# KiCad board board_deltaRenumBack.kicad_pcb
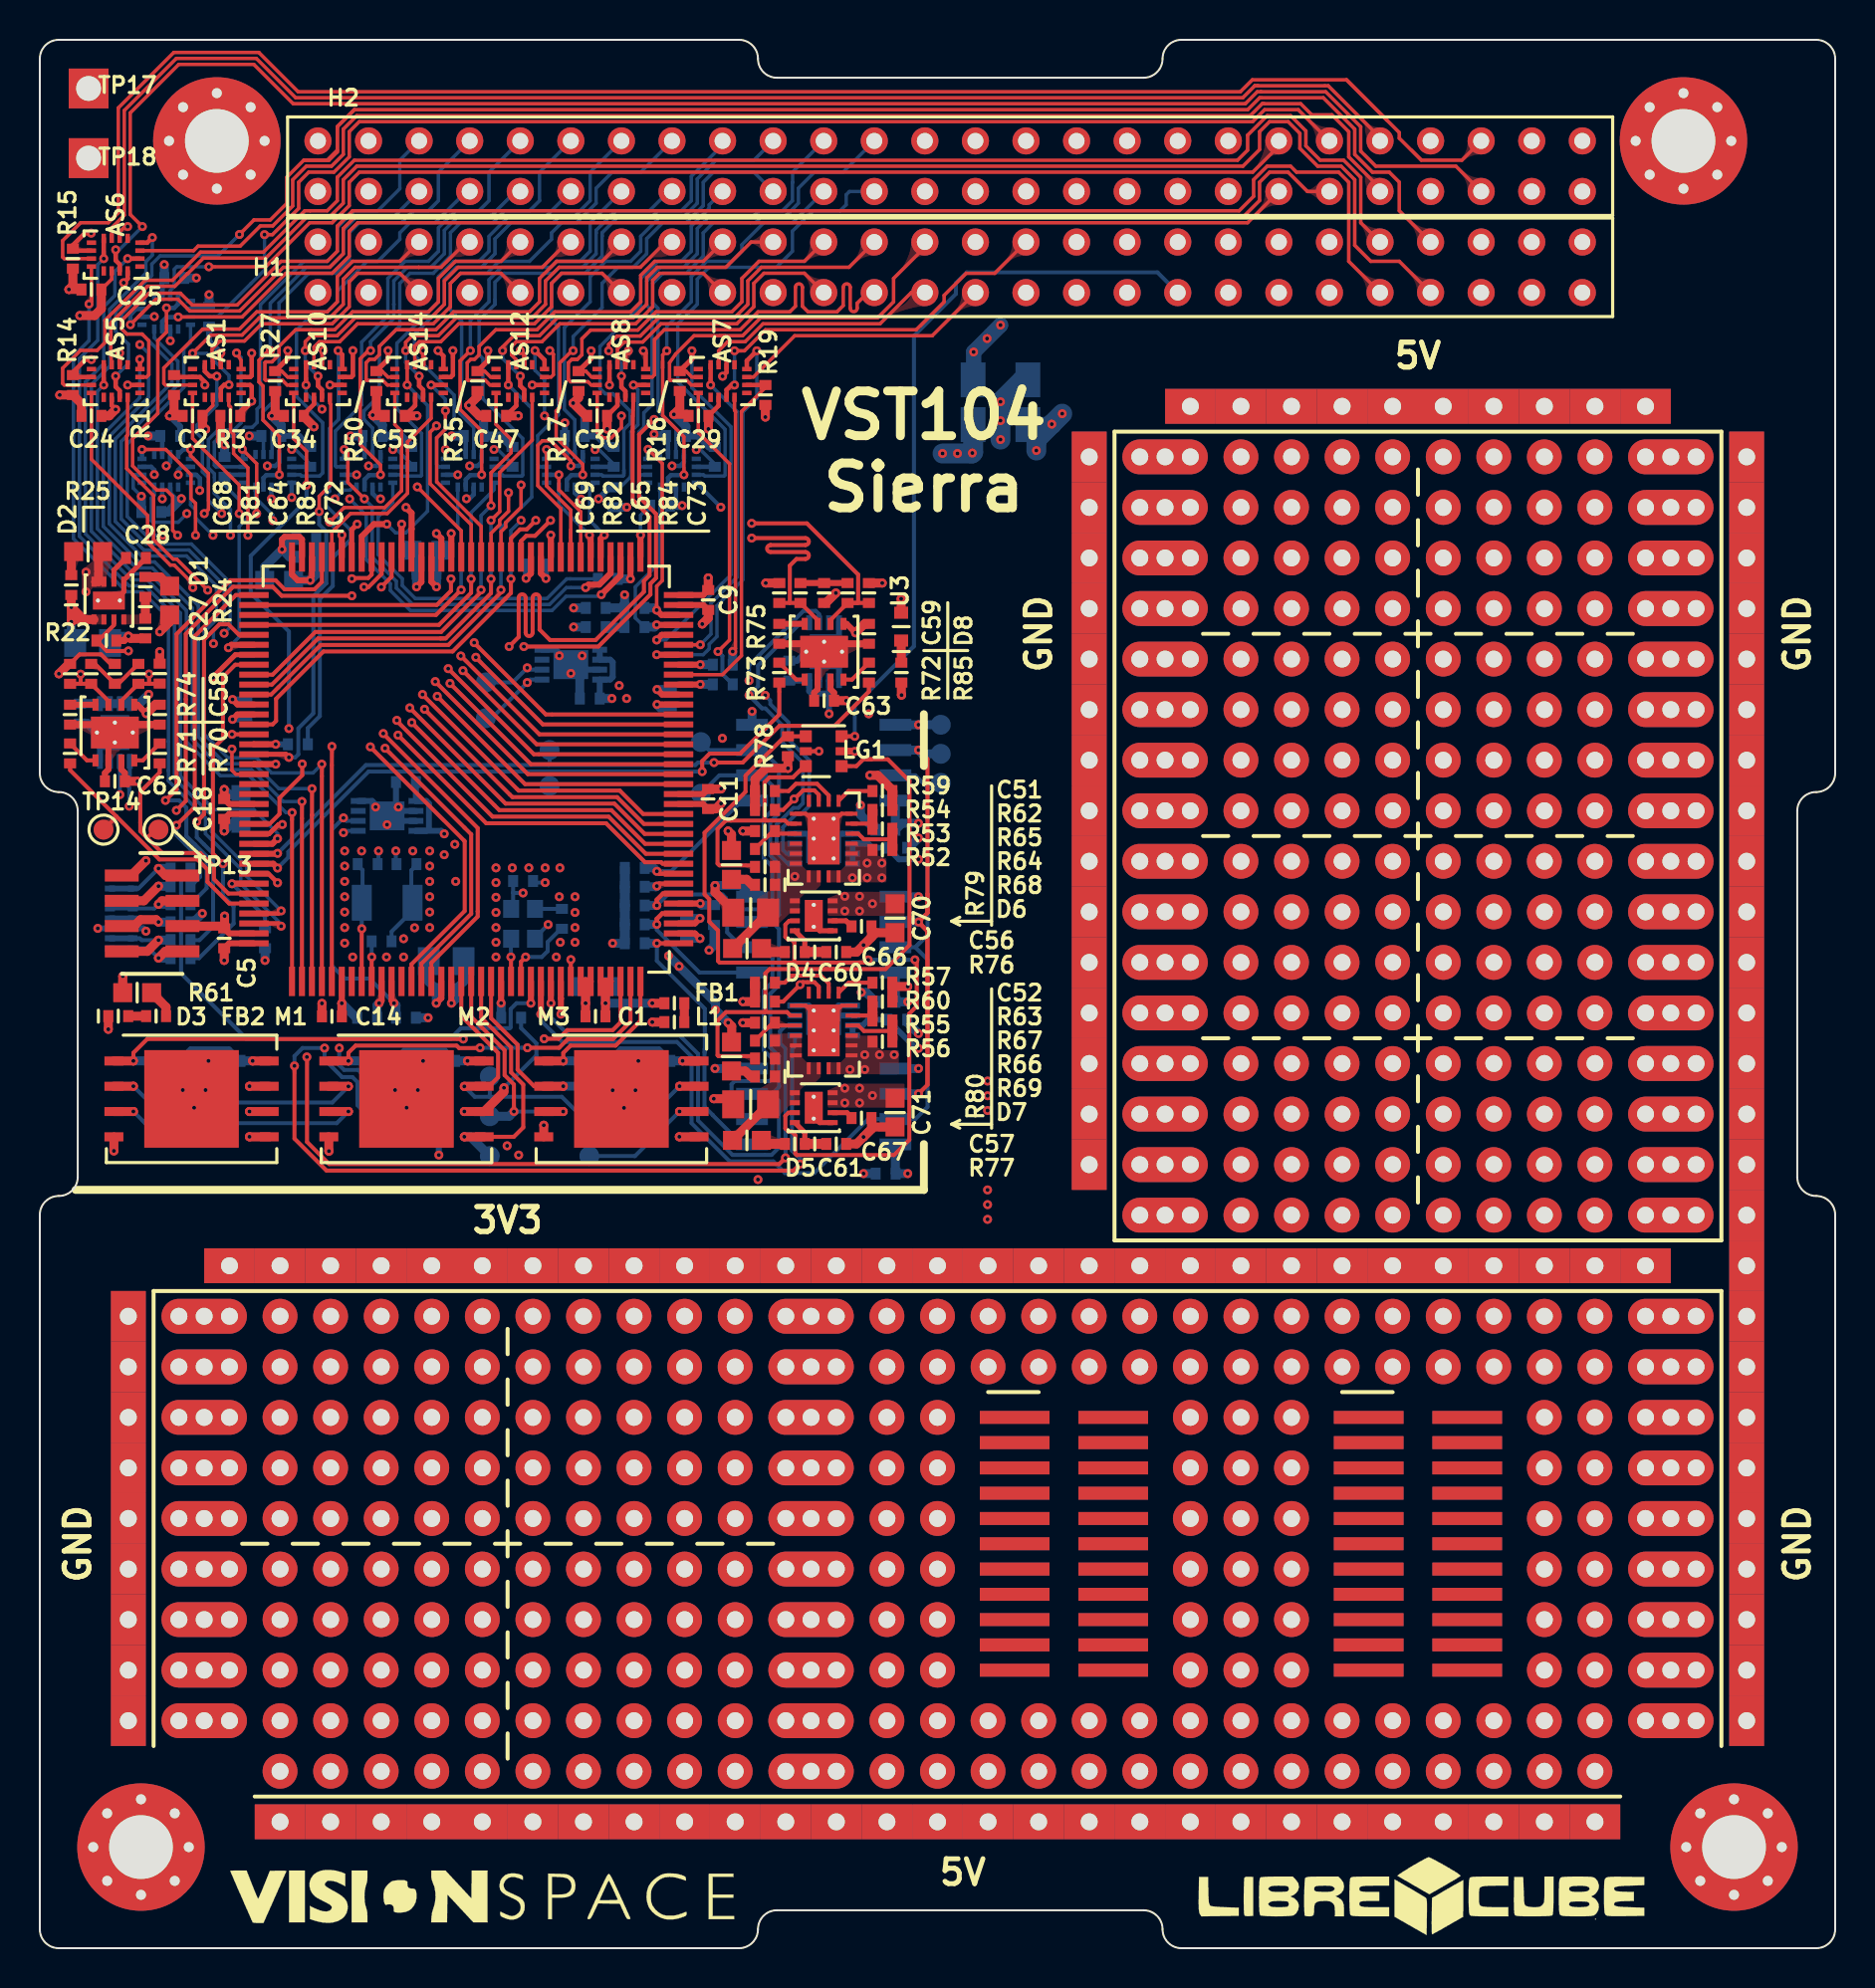
[diagram p0: board, top side]
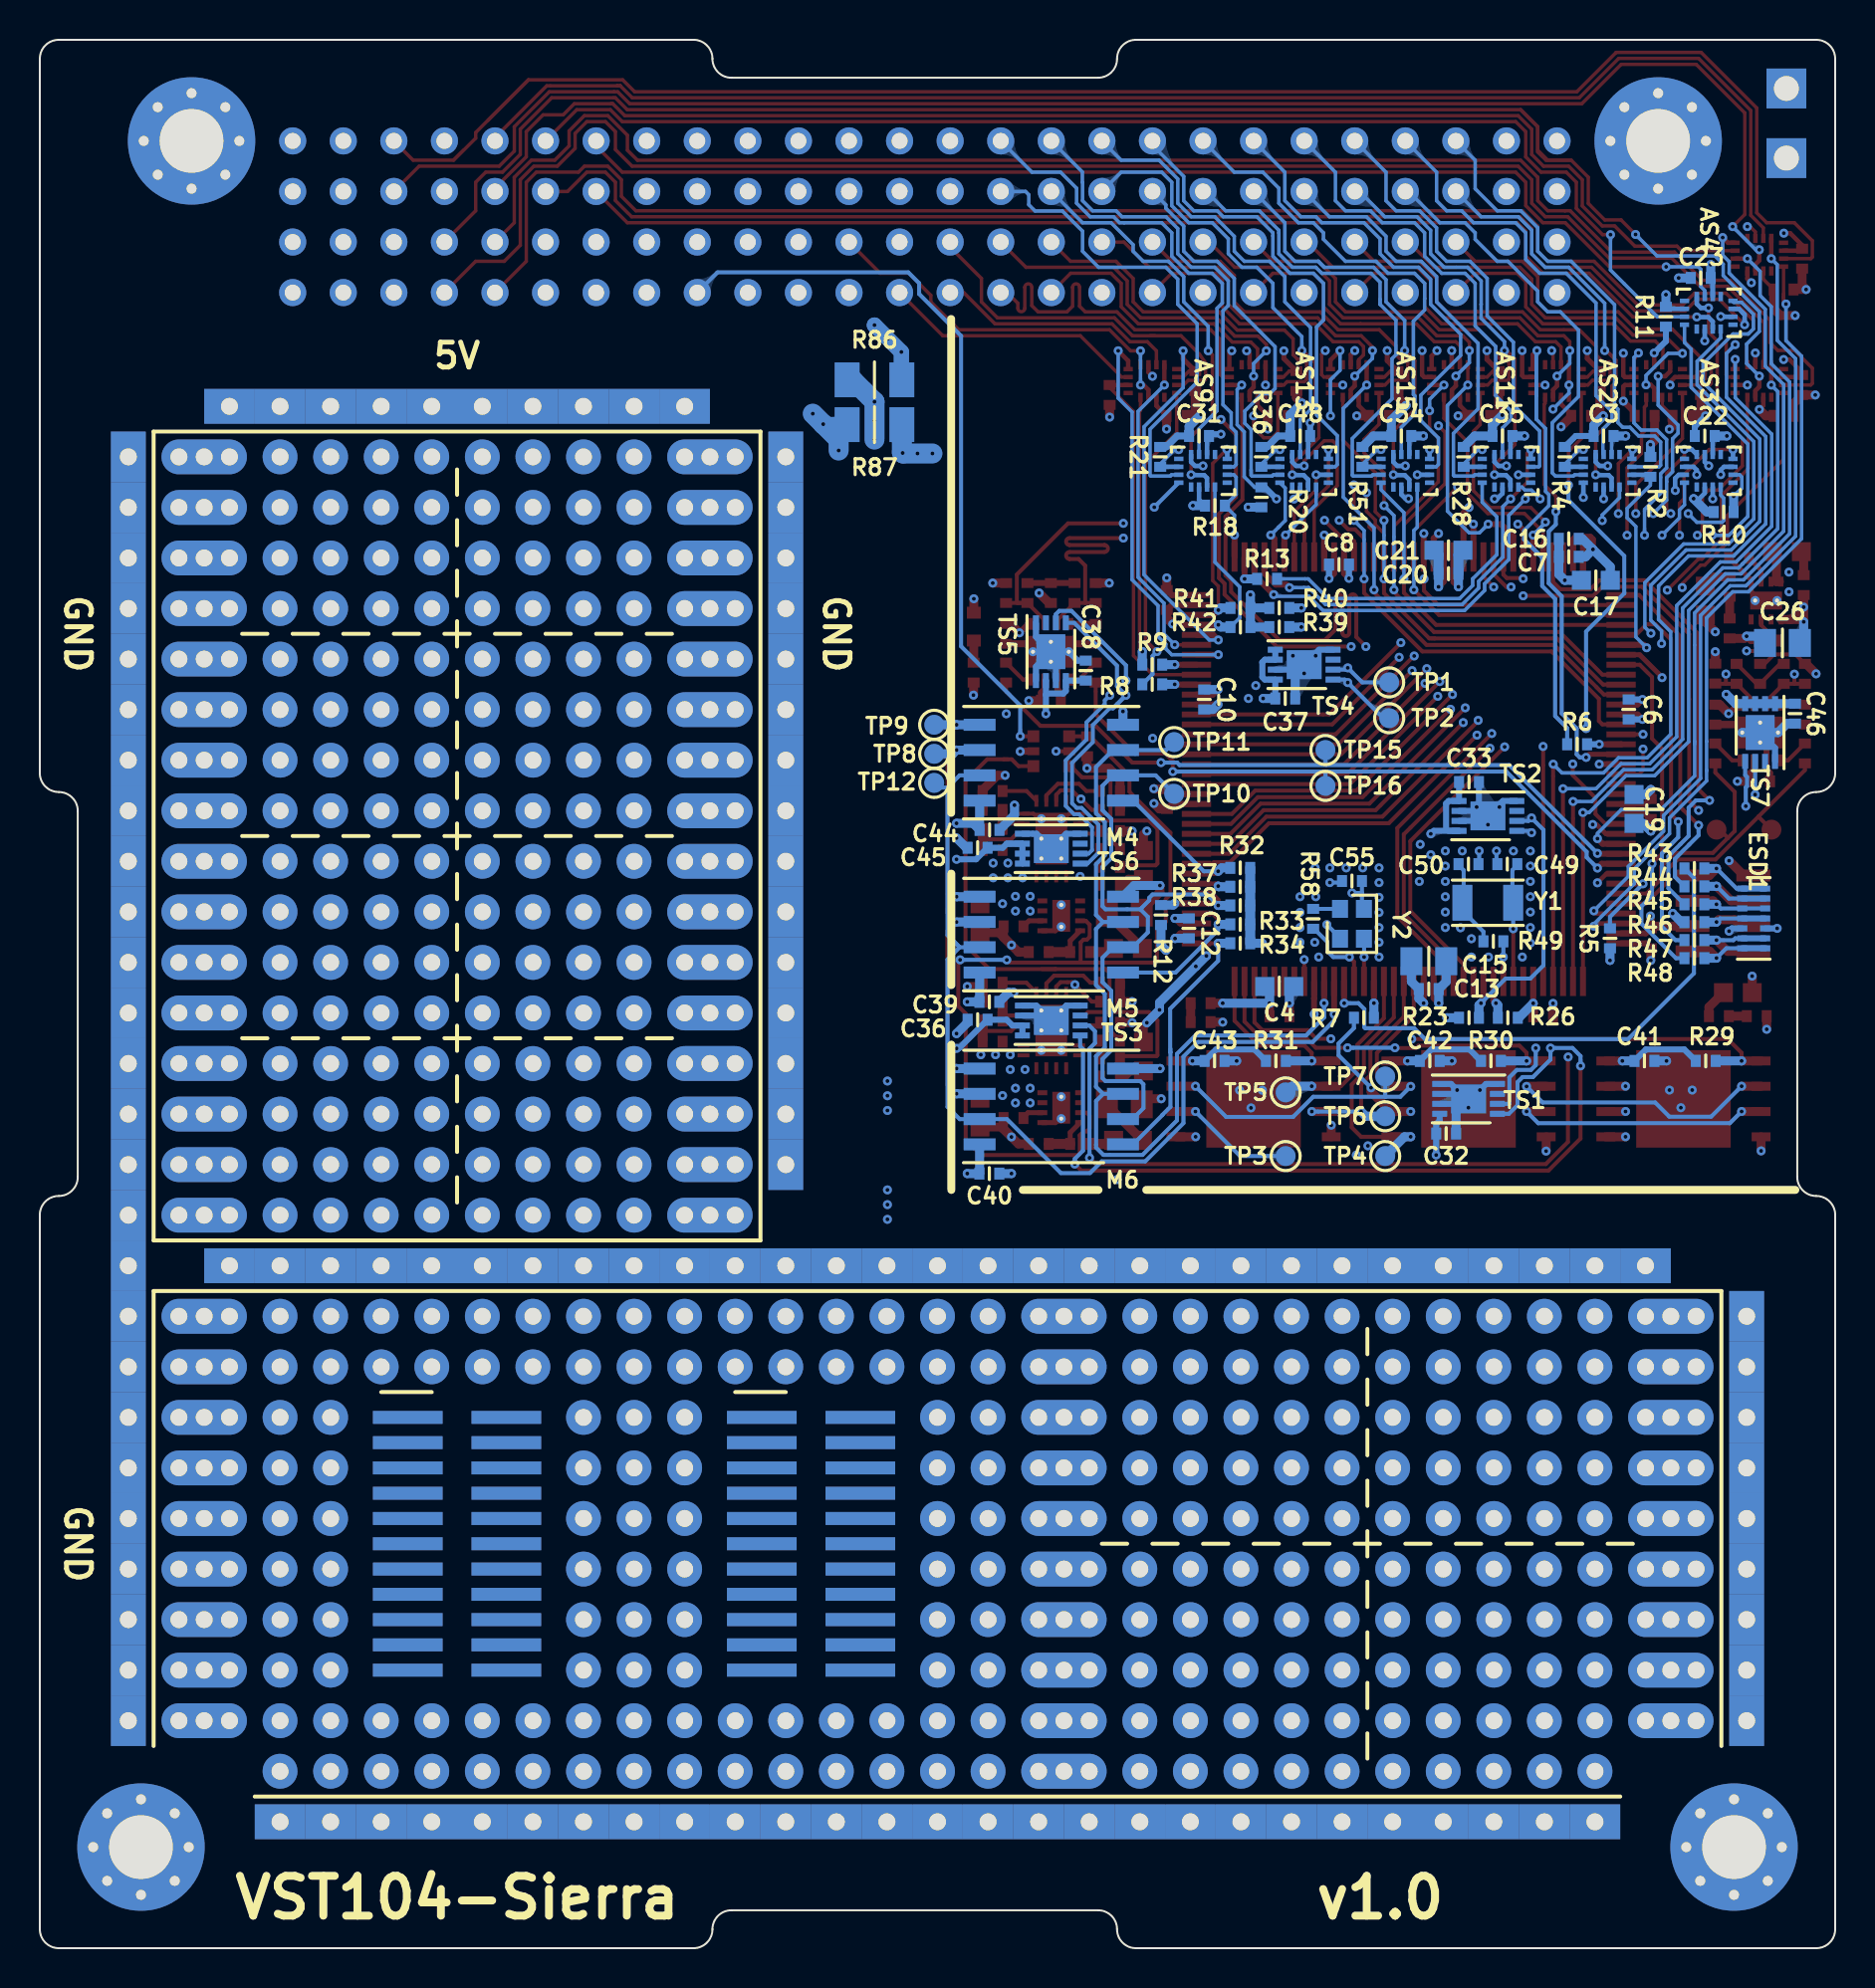
[diagram p1: board, bottom side, seen from below]

Outline 90.17 x 95.88 mm; copper layers: Top, In1.Cu (plane), In2.Cu, In3.Cu (plane), In4.Cu (plane), Bottom. Coordinates in mm from the lower left corner of the outline.
Outline path: 0,94.93 0,59.04 arc(0.28,58.37) 0.95,58.09 arc(1.63,57.81) 1.91,57.14 1.91,38.75 arc(1.63,38.07) 0.95,37.8 arc(0.28,37.52) 0,36.84 0,0.95 arc(0.28,0.28) 0.95,0 35.12,0 arc(35.79,0.28) 36.07,0.95 arc(36.35,1.63) 37.02,1.91 55.44,1.91 arc(56.11,1.63) 56.39,0.95 arc(56.67,0.28) 57.34,0 89.22,0 arc(89.89,0.28) 90.17,0.95 90.17,36.84 arc(89.89,37.52) 89.22,37.8 arc(88.54,38.07) 88.27,38.75 88.27,57.14 arc(88.54,57.81) 89.22,58.09 arc(89.89,58.37) 90.17,59.04 90.17,94.93 arc(89.89,95.61) 89.22,95.88 57.34,95.88 arc(56.67,95.61) 56.39,94.93 arc(56.11,94.26) 55.44,93.98 37.02,93.98 arc(36.35,94.26) 36.07,94.93 arc(35.79,95.61) 35.12,95.88 0.95,95.88 arc(0.28,95.61) 0,94.93

## Placement (name value [footprint] x y rotation side)
AS1  DGQ2788A  [mini_QFN-16-1.8x2.6mm]  8.89 78.74 270 top
AS2  DGQ2788A  [mini_QFN-16-1.8x2.6mm]  11.43 74.23 90 bottom
AS3  DGQ2788A  [mini_QFN-16-1.8x2.6mm]  6.35 74.23 90 bottom
AS4  DGQ2788A  [mini_QFN-16-1.8x2.6mm]  6.35 82.17 90 bottom
AS5  DGQ2788A  [mini_QFN-16-1.8x2.6mm]  3.81 78.74 270 top
AS6  DGQ2788A  [mini_QFN-16-1.8x2.6mm]  3.81 85.09 270 top
AS7  DGQ2788A  [mini_QFN-16-1.8x2.6mm]  34.29 78.74 270 top
AS8  DGQ2788A  [mini_QFN-16-1.8x2.6mm]  29.21 78.74 270 top
AS9  DGQ2788A  [mini_QFN-16-1.8x2.6mm]  31.75 74.23 90 bottom
AS10  DGQ2788A  [mini_QFN-16-1.8x2.6mm]  13.97 78.74 270 top
AS11  DGQ2788A  [mini_QFN-16-1.8x2.6mm]  16.51 74.23 90 bottom
AS12  DGQ2788A  [mini_QFN-16-1.8x2.6mm]  24.13 78.74 270 top
AS13  DGQ2788A  [mini_QFN-16-1.8x2.6mm]  26.67 74.23 90 bottom
AS14  DGQ2788A  [mini_QFN-16-1.8x2.6mm]  19.05 78.74 270 top
AS15  DGQ2788A  [mini_QFN-16-1.8x2.6mm]  21.59 74.23 90 bottom
C1  100n  [C_SMD_0402]  27.91 46.82 0 top
C2  10n  [C_SMD_0402]  7.67 76.99 0 top
C3  10n  [C_SMD_0402]  11.63 75.98 180 bottom
C4  1u  [C_SMD_0603]  27.92 48.32 0 bottom
C5  100n  [C_SMD_0402]  9.26 50.74 270 top
C6  100n  [C_SMD_0402]  10.37 62.24 270 bottom
C7  100n  [C_SMD_0402]  13.38 69.91 0 bottom
C8  100n  [C_SMD_0402]  24.92 69.52 180 bottom
C9  100n  [C_SMD_0402]  33.57 67.74 90 top
C10  100n  [C_SMD_0402]  31.69 62.74 90 bottom
C11  100n  [C_SMD_0402]  33.56 57.74 90 top
C12  100n  [C_SMD_0402]  32.46 51.24 90 bottom
C13  100n  [C_SMD_0402]  20.41 48.19 0 bottom
C14  100n  [C_SMD_0402]  14.67 46.82 0 top
C15  10u  [C_SMD_0805]  20.41 49.59 180 bottom
C16  100n  [C_SMD_0402]  13.38 70.81 0 bottom
C17  1u  [C_SMD_0603]  12.02 68.73 0 bottom
C18  100n  [C_SMD_0402]  9.26 57.24 270 top
C19  4u7  [C_SMD_0603]  10.1 57.24 270 bottom
C20  100n  [C_SMD_0402]  19.42 69.06 180 bottom
C21  4u7  [C_SMD_0603]  19.42 70.24 180 bottom
C22  10n  [C_SMD_0402]  6.55 75.98 180 bottom
C23  10n  [C_SMD_0402]  6.75 83.92 180 bottom
C24  10n  [C_SMD_0402]  2.59 76.99 0 top
C25  10n  [C_SMD_0402]  2.59 83.34 0 top
C26  10u  [C_SMD_0805]  2.65 65.58 180 bottom
C27  100n  [C_SMD_0402]  5.3 66.31 270 top
C28  1n  [C_SMD_0402]  4.83 69.85 0 top
C29  10n  [C_SMD_0402]  33.08 76.99 0 top
C30  10n  [C_SMD_0402]  27.99 76.99 0 top
C31  10n  [C_SMD_0402]  31.95 75.98 180 bottom
C32  100n  [C_SMD_0402]  19.54 40.93 180 bottom
C33  100n  [C_SMD_0402]  18.39 58.59 180 bottom
C34  10n  [C_SMD_0402]  12.76 76.99 0 top
C35  10n  [C_SMD_0402]  16.71 75.98 180 bottom
C36  100n  [C_SMD_0402]  43.07 46.65 0 bottom
C37  100n  [C_SMD_0402]  27.62 62.79 0 bottom
C38  100n  [C_SMD_0402]  37.64 64.19 90 bottom
C39  100n  [C_SMD_0402]  42.48 47.55 180 bottom
C40  100n  [C_SMD_0402]  42.48 38.92 180 bottom
C41  100n  [C_SMD_0402]  9.58 44.58 180 bottom
C42  100n  [C_SMD_0402]  20.36 44.58 180 bottom
C43  100n  [C_SMD_0402]  31.17 44.58 180 bottom
C44  100n  [C_SMD_0402]  42.47 56.19 180 bottom
C45  100n  [C_SMD_0402]  43.07 55.29 0 bottom
C46  100n  [C_SMD_0402]  2.02 62.03 270 bottom
C47  10n  [C_SMD_0402]  22.92 76.99 0 top
C48  10n  [C_SMD_0402]  26.87 75.98 180 bottom
C49  17p  [C_SMD_0402]  16.47 54.47 0 bottom
C50  17p  [C_SMD_0402]  18.42 54.47 0 bottom
C51  22n  [C_SMD_0402]  36.42 58.14 180 top
C52  15n  [C_SMD_0402]  36.42 48.51 180 top
C53  10n  [C_SMD_0402]  17.83 76.99 0 top
C54  10n  [C_SMD_0402]  21.79 75.98 180 bottom
C55  100n  [C_SMD_0402]  24.27 53.62 180 bottom
C56  10u  [C_SMD_0805]  35.7 52.03 0 top
C57  10u  [C_SMD_0805]  35.7 42.4 0 top
C58  100n  [C_SMD_0402]  6.02 61.98 90 top
C59  100n  [C_SMD_0402]  41.64 66.04 90 top
C60  100n  [C_SMD_0402]  40 50.05 0 top
C61  100n  [C_SMD_0402]  40 40.41 0 top
C62  100n  [C_SMD_0402]  3.77 58.63 0 top
C63  100n  [C_SMD_0402]  39.39 62.68 0 top
C64  4n7  [C_SMD_0402]  3.77 64.03 270 top
C65  4n7  [C_SMD_0402]  39.39 68.09 90 top
C66  1n  [C_SMD_0402]  41.27 51.34 0 top
C67  1n  [C_SMD_0402]  41.27 41.71 0 top
C68  100p  [C_SMD_0402]  1.52 64.03 270 top
C69  100p  [C_SMD_0402]  37.14 68.09 270 top
C70  1u  [C_SMD_0603]  42.95 51.75 90 top
C71  1u  [C_SMD_0603]  42.95 41.98 90 top
C72  100p  [C_SMD_0402]  6.02 64.04 270 top
C73  100p  [C_SMD_0402]  41.64 68.09 270 top
D1  CDBQR40  [D_SMD_0402]  5.3 68.4 90 top
D2  CDBQR40  [D_SMD_0402]  1.58 68.49 90 top
D3  CDBQR40  [D_SMD_0402]  3.94 46.83 0 top
D4  CDBQR40  [D_SMD_0402]  37.92 50.05 180 top
D5  CDBQR40  [D_SMD_0402]  37.92 40.41 180 top
D6  CDBQR40  [D_SMD_0402]  36.42 53.43 180 top
D7  CDBQR40  [D_SMD_0402]  36.42 43.8 180 top
D8  BZT52C3V3TQ-7-F  [D_SMD_SOD523_1.2x0.8mm]  43.26 66.4 90 top
EF1  TPS25940-Q1  [WQFN-20_4.0x3.0mm_EPV]  39.37 55.75 0 top
EF2  TPS25940-Q1  [WQFN-20_4.0x3.0mm_EPV]  39.37 46.11 0 top
ESD1  SP3012-06  [µDFN-14_3.5x1.35mm]  4.09 51.74 270 bottom
FB1  120 @ 100M  [R_SMD_0402]  31.87 47.48 180 top
FB2  120 @ 100M  [R_SMD_0402]  5.84 46.83 180 top
G***  LOGO  [LibreCube_logo_22.4mm]  69.4 2.6 0 top
G***#2  logo  [VST_logo_horizontal_700]  22.2 2.6 0 top
H1  Conn_02x26_Odd_Even  [ESQ-129-39-x-D]  13.97 83.19 0 top
H2  Conn_02x26_Odd_Even  [ESQ-129-39-x-D]  13.97 88.26 0 top
JC1  SW&UART  [CLP-104-02-x-D]  5.64 51.99 270 top
L1  10u  [L_SMD_0402]  31.87 46.53 0 top
LG1  74LVC1G11-Q100  [SOT-363_TSSOP-6_2.0x1.25mm]  39.37 60.14 180 top
M1  S25FL256L  [WSON-8_6.0x8.0mm_EP]  7.62 42.67 0 top
M2  S25FL256L  [WSON-8_6.0x8.0mm_EP]  18.42 42.67 0 top
M3  S25FL256L  [WSON-8_6.0x8.0mm_EP]  29.21 42.67 0 top
M4  CY15B102Q  [SOIC-8_208_5.23x5.23mm]  39.37 59.56 0 bottom
M5  CY15B102Q  [SOIC-8_208_5.23x5.23mm]  39.37 50.93 0 bottom
M6  CY15B102Q  [SOIC-8_208_5.23x5.23mm]  39.37 42.29 0 bottom
MH1  MountingHole_Pad  [MountingHole_3.2mm_M3_Pad_Via]  8.89 90.81 0 top
MH2  MountingHole_Pad  [MountingHole_3.2mm_M3_Pad_Via]  82.55 90.81 0 top
MH3  MountingHole_Pad  [MountingHole_3.2mm_M3_Pad_Via]  5.08 5.08 0 top
MH4  MountingHole_Pad  [MountingHole_3.2mm_M3_Pad_Via]  85.09 5.08 0 top
Q1  TPS22965-Q1  [WSON-8_2.0x2.0mm_EPV]  3.47 67.71 90 top
Q2  TPS22965-Q1  [WSON-8_2.0x2.0mm_EPV]  38.87 51.87 0 top
Q3  TPS22965-Q1  [WSON-8_2.0x2.0mm_EPV]  38.87 42.23 0 top
R1  100k  [R_SMD_0402]  6.74 78.54 90 top
R2  100k  [R_SMD_0402]  9.28 74.43 90 bottom
R3  100k  [R_SMD_0402]  9.57 76.99 0 top
R4  100k  [R_SMD_0402]  13.58 74.93 90 bottom
R5  22  [R_SMD_0402]  11.31 50.74 270 bottom
R6  22  [R_SMD_0402]  12.96 60.49 0 bottom
R7  22  [R_SMD_0402]  23.67 46.75 0 bottom
R8  22  [R_SMD_0402]  34.3 63.5 0 bottom
R9  22  [R_SMD_0402]  34.3 64.49 0 bottom
R10  100k  [R_SMD_0402]  5.6 72.16 0 bottom
R11  100k  [R_SMD_0402]  8.5 81.97 270 bottom
R12  22  [R_SMD_0402]  33.86 51.91 90 bottom
R13  22  [R_SMD_0402]  28.53 68.8 0 bottom
R14  100k  [R_SMD_0402]  1.66 78.54 270 top
R15  100k  [R_SMD_0402]  1.66 84.89 270 top
R16  100k  [R_SMD_0402]  32.14 78.74 270 top
R17  100k  [R_SMD_0402]  27.06 78.74 270 top
R18  100k  [R_SMD_0402]  31.15 72.48 0 bottom
R19  100k  [R_SMD_0402]  36.44 78.04 270 top
R20  100k  [R_SMD_0402]  28.82 72.9 90 bottom
R21  100k  [R_SMD_0402]  33.9 74.93 90 bottom
R22  100k  [R_SMD_0402]  3.34 65.7 0 top
R23  10k  [R_SMD_0402]  18.39 46.75 180 bottom
R24  33 330mW  [R_SMD_0603]  6.52 67.71 90 top
R25  33 330mW  [R_SMD_0603]  2.42 70.17 180 top
R26  10k  [R_SMD_0402]  16.44 46.75 0 bottom
R27  100k  [R_SMD_0402]  11.82 78.74 270 top
R28  100k  [R_SMD_0402]  18.66 74.93 90 bottom
R29  10k  [R_SMD_0402]  6.5 44.58 180 bottom
R30  10k  [R_SMD_0402]  17.29 44.58 180 bottom
R31  10k  [R_SMD_0402]  28.09 44.58 180 bottom
R32  10k  [R_SMD_0402]  29.88 54.28 0 bottom
R33  10k  [R_SMD_0402]  29.88 51.44 0 bottom
R34  10k  [R_SMD_0402]  29.88 50.49 0 bottom
R35  100k  [R_SMD_0402]  21.98 78.74 270 top
R36  100k  [R_SMD_0402]  28.82 74.93 90 bottom
R37  100k  [R_SMD_0402]  29.88 53.33 0 bottom
R38  100k  [R_SMD_0402]  29.88 52.39 0 bottom
R39  4k7  [R_SMD_0402]  27.92 66.38 180 bottom
R40  4k7  [R_SMD_0402]  27.92 67.34 180 bottom
R41  4k7  [R_SMD_0402]  29.87 67.34 0 bottom